# Altium PCB PCB1.PcbDoc
Units mm, origin at the board's own origin, x right, y up, seen from the top; angles counter-clockwise.
Board outline 74.92 x 35.07 mm, 2 copper layers (Top Layer, Bottom Layer), stack 1.671 mm thick; 70 components, 63 nets, 316 pads, 71 vias.
Unrouted connection lines stored in the file: 9.
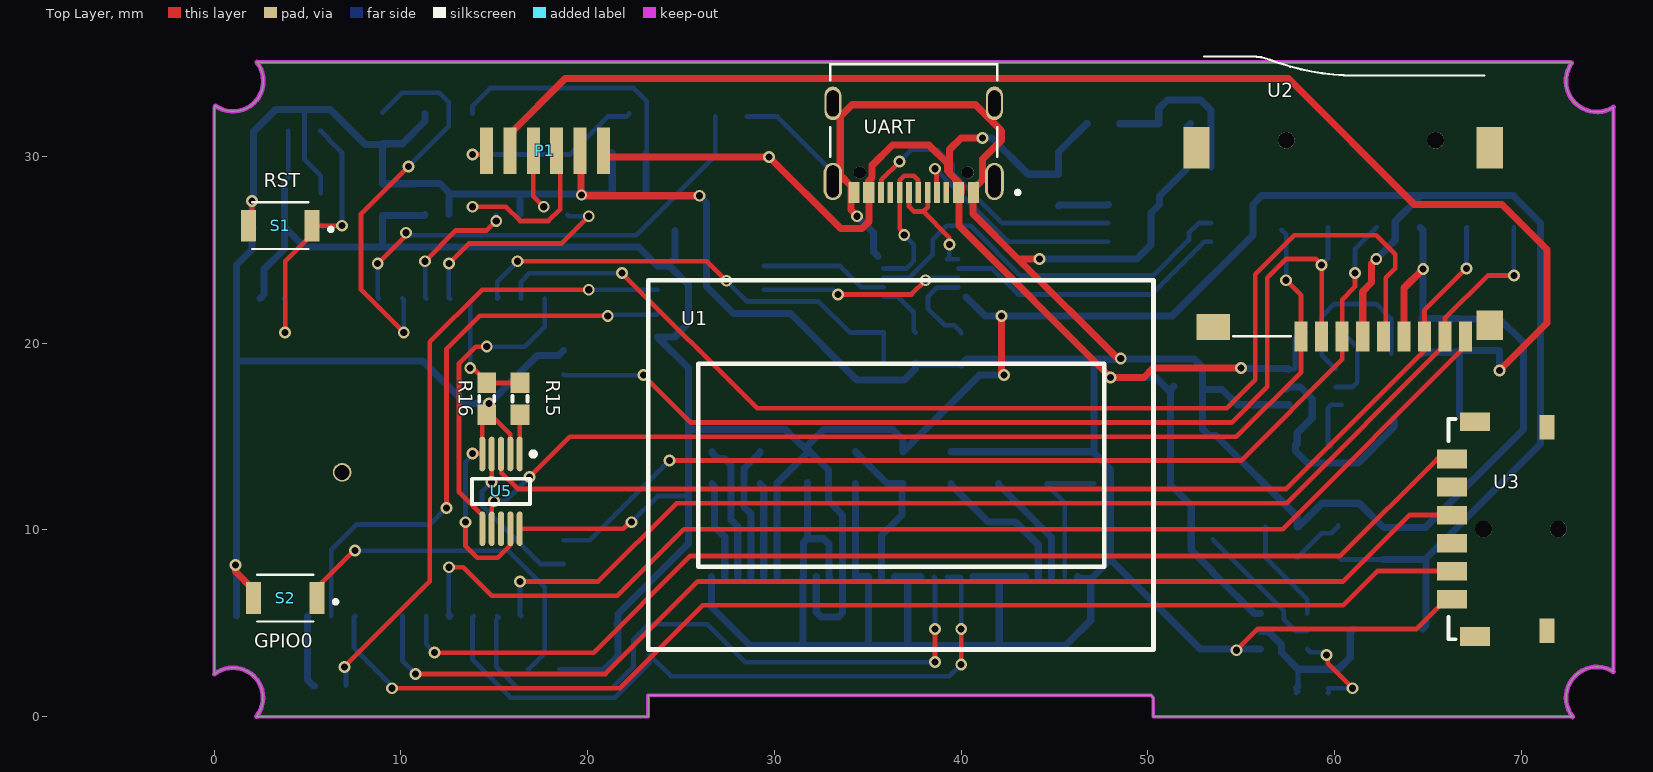
[diagram p0: Top Layer view]
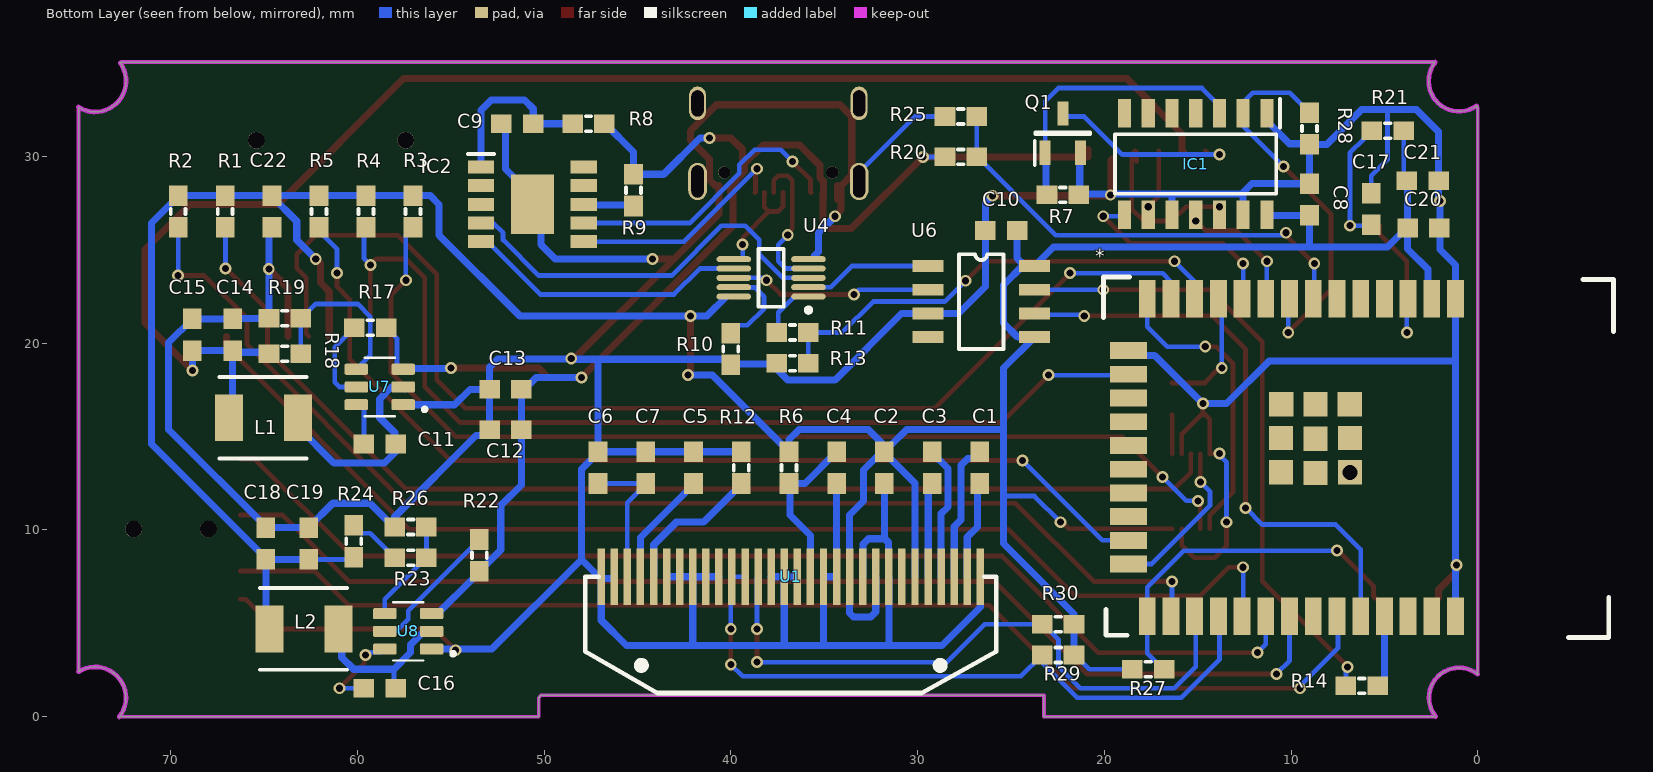
[diagram p1: Bottom Layer view, seen from below]
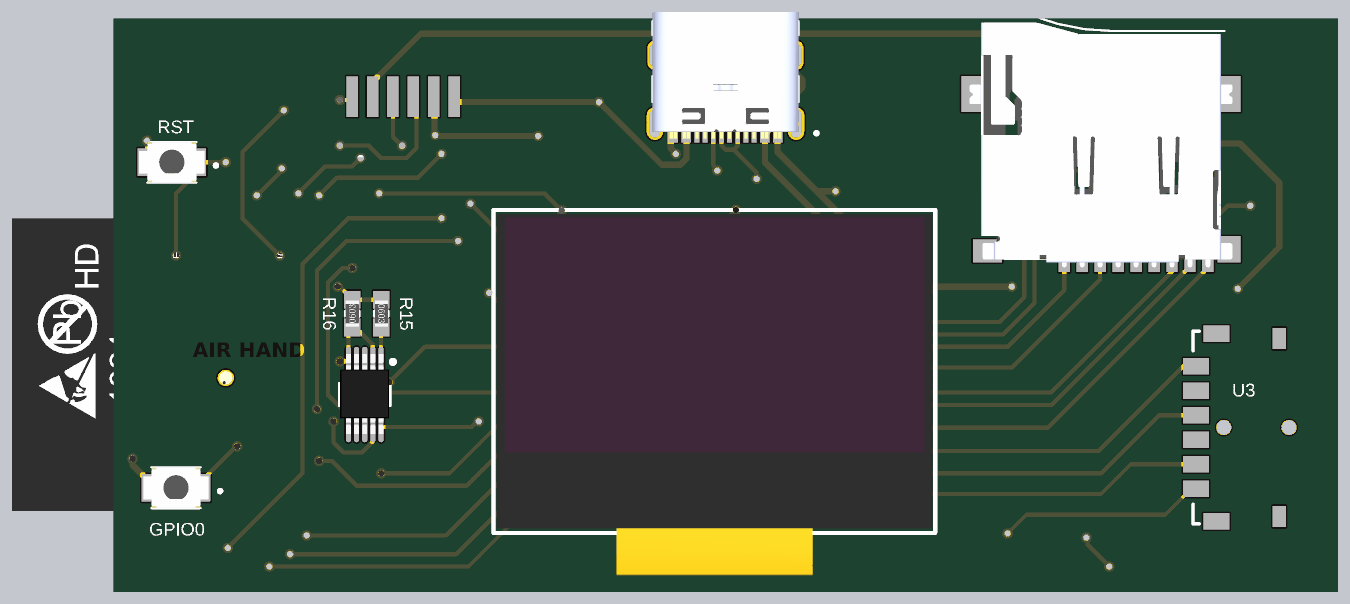
[diagram p2: 3D render of the assembled board from above, using the file's embedded part models]
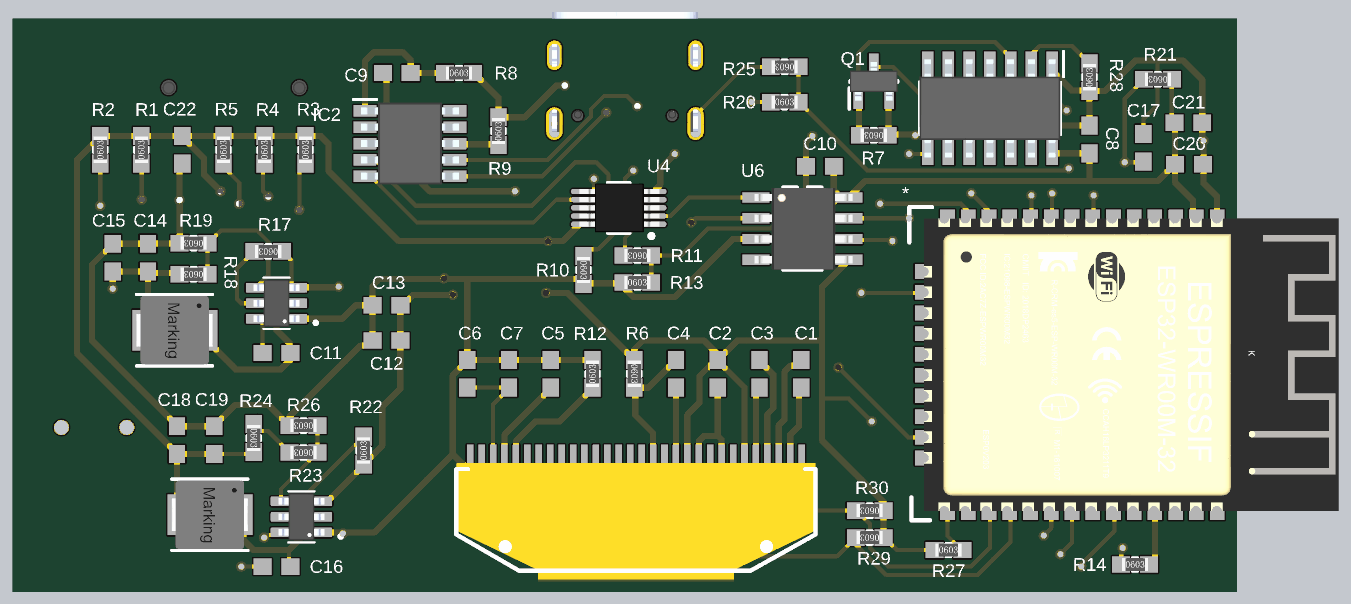
[diagram p3: 3D render of the assembled board from below, using the file's embedded part models]

## Layer stack, top to bottom
Top Solder: solder mask 0.0102, Solder Resist, Dk 3.5
Top Layer: signal copper 0.0356
Dielectric 1: dielectric 1.6, FR-4, Dk 4.8
Bottom Layer: signal copper 0.0356
Bottom Solder: solder mask 0.0102, Solder Resist, Dk 3.5

## Board outline
0.012,2.27 cw(c1.016,1.016) 2.27,0.012 2.286,0 23.241,0 23.241,1.143 50.165,1.143 50.292,1.016 50.292,0 72.771,0 72.752,-0.015 cw(c74.041,1.016) 74.927,2.409 74.93,2.413 74.93,32.639 cw(c74.041,34.036) 72.702,35.01 72.644,35.052 2.286,35.052 cw(c1.016,34.036) 0.073,32.711 0.012,32.627

## Design rules (kind name [scope] priority, off if disabled: settings)
Clearance [All] p1: gap=0.254 ignorepadtopadclearanceinfootprint=TRUE except(0: Arc-Hole Track-Hole SMDPad-Hole THPad-Hole Via-Hole Fill-Hole Poly-Hole Region-Hole Text-Hole; 0.152: Arc-Arc Arc-Track Arc-SMDPad Arc-THPad Arc-Via Track-Track Track-SMDPad Track-THPad Track-Via SMDPad-SMDPad SMDPad-THPad SMDPad-Via THPad-THPad THPad-Via Via-Via; 0.178: Arc-Text Track-Text SMDPad-Text THPad-Text Via-Text Fill-Text Poly-Text Region-Text Text-Text)
PolygonConnect [All] p1: connectstyle=Relief reliefconductorwidth=0.254 reliefentries=4 polygonreliefangle="90 Angle" airgapwidth=0.254
RoutingVias [All] p1: holewidth=0.381 width=0.381 viastyle="Through Hole" minholewidth=0.203 minwidth=0.381 maxholewidth=0.711 maxwidth=1.27
SolderMaskExpansion [All] p1: expansion=0.102
Width [All] p1: maxlimit=1.27 minlimit=0.254 preferedwidth=0.254
30 further rules are at their usual default settings.

## Components (designator, comment, footprint, x,y, rotation, side; value= is the part's Value field where it differs from the comment)
* "ESP WROOM 32" ESP32-WROOM-32D 6.461,13.886 r270 bottom locked
C1 "104" CAPC1608[0603] 26.67,13.335 r270 bottom
C2 "106" CAPC1608[0603] 31.782,13.335 r270 bottom
C3 "104" CAPC1608[0603] 29.226,13.335 r270 bottom
C4 "104" CAPC1608[0603] 34.338,13.335 r270 bottom
C5 "106" CAPC1608[0603] 42.005,13.335 r90 bottom
C6 "105" CAPC1608[0603] 47.117,13.335 r270 bottom
C7 "104" CAPC1608[0603] 44.561,13.335 r90 bottom
C8 "105" CAPC1608[0603] 9.017,27.686 r270 bottom
C9 "105" CAPC1608[0603] 51.435,31.75 r180 bottom
C10 "104" CAPC1608[0603] 25.527,26.035 r0 bottom
C11 "105" CAPC1608[0603] 58.801,14.605 r180 bottom
C12 "226" CAPC1608[0603] 52.07,15.367 r0 bottom
C13 "104" CAPC1608[0603] 52.07,17.526 r0 bottom
C14 "104" CAPC1608[0603] 66.675,20.447 r90 bottom
C15 "226" CAPC1608[0603] 68.834,20.447 r90 bottom
C16 "105" CAPC1608[0603] 58.801,1.524 r180 bottom
C17 "104" CAPC1608[0603] 5.715,27.178 r90 bottom
C18 "104" CAPC1608[0603] 64.897,9.271 r90 bottom
C19 "226" CAPC1608[0603] 62.611,9.271 r90 bottom
C20 "105" CAPC1608[0603] 2.921,26.162 r180 bottom
C21 "104" CAPC1608[0603] 2.96,28.702 r180 bottom
C22 "105" CAPC1608[0603] 64.567,27.051 r90 bottom
IC1 "74HC126S14-13" SOIC127P600X173-14N 15.113,29.591 r270 bottom locked
IC2 "CH224K" SOP100P600X180-11N 50.629,27.432 r180 bottom
L1 "6.8uH" WHC0420 65.024,16.002 r180 bottom value=22uH
L2 "6.8uH" WHC0420 62.865,4.699 r180 bottom value=22uH
P1 "Head1*6" Header1*6 20.846,30.304 r180 top locked
Q1 "AO3416" SOT95P237X112-3N 22.225,31.242 r90 bottom
R1 "47k" RESC1608[0603] 67.081,27.051 r90 bottom
R2 "47k" RESC1608[0603] 69.596,27.051 r90 bottom
R3 "47k" RESC1608[0603] 57.023,27.051 r90 bottom
R4 "47k" RESC1608[0603] 59.538,27.051 r90 bottom
R5 "47k" RESC1608[0603] 62.052,27.051 r90 bottom
R6 "10k" RESC1608[0603] 36.893,13.335 r270 bottom
R7 "10k" RESC1608[0603] 22.225,27.94 r0 bottom
R8 "1k" RESC1608[0603] 47.625,31.75 r180 bottom
R9 "10k" RESC1608[0603] 45.212,28.194 r90 bottom
R10 "47k" RESC1608[0603] 40.005,19.685 r270 bottom
R11 "0R" RESC1608[0603] 36.703,20.574 r0 bottom
R12 "910k" RESC1608[0603] 39.449,13.335 r90 bottom
R13 "47k" RESC1608[0603] 36.703,18.923 r180 bottom
R14 "470" RESC1608[0603] 6.223,1.651 r180 bottom
R15 "0" RESC1608[0603] 16.383,17.018 r270 top
R16 "47k" RESC1608[0603] 14.605,17.018 r90 top
R17 "100k" RESC1608[0603] 59.309,20.828 r0 bottom
R18 "43k" RESC1608[0603] 63.881,19.431 r0 bottom
R19 "8.2k" RESC1608[0603] 63.881,21.336 r0 bottom
R20 "90k" RESC1608[0603] 27.686,29.972 r180 bottom
R21 "10k" RESC1608[0603] 4.826,31.369 r0 bottom
R22 "100k" RESC1608[0603] 53.467,8.636 r90 bottom
R23 "24k" RESC1608[0603] 57.15,8.509 r0 bottom
R24 "1.6k" RESC1608[0603] 60.198,9.398 r270 bottom
R25 "10k" RESC1608[0603] 27.686,32.131 r0 bottom
R26 "8.2k" RESC1608[0603] 57.15,10.16 r0 bottom
R27 "10k" RESC1608[0603] 17.653,2.54 r180 bottom
R28 "10k" RESC1608[0603] 9.017,31.496 r90 bottom
R29 "4.7k" RESC1608[0603] 22.479,3.302 r0 bottom
R30 "4.7k" RESC1608[0603] 22.479,4.953 r0 bottom
S1 "RST" SW_B3U-1000P 3.556,26.289 r180 top
S2 "GPIO0" SW_B3U-1000P 3.81,6.35 r180 top
U1 "OLED" OLED-panel 36.793,7.493 r0 top locked
U2 "tf_card" TF-1 61.725,25.691 r180 top locked
U3 "拨码开关" FS-1501S-02 67.974,10.044 r270 top locked
U4 "CH442E" MSOP-10 37.846,23.495 r0 bottom
U5 "CH442E" MSOP-10 15.367,12.065 r270 top
U6 "CH340N" SOP8 29.449,24.13 r180 bottom
U7 "MP1471" TSOT23-6 58.801,17.653 r0 bottom
U8 "MP1471" TSOT23-6 57.277,4.572 r0 bottom
UART "Type_C-16P" VALCON_CSP-USC16-TR 37.461,28.067 r180 top locked

## Footprints (in the part's own frame and the unit in brackets; to place one, negate y for a bottom-side part, rotate by r counter-clockwise, add the part's x,y. Pads: shape width x height; smd on the part's side, far side on the other; paste and mask are expansions set on the pad)
CAPC1608[0603] [mm] "Chip Capacitor, 2-Leads, Body 1.60x0.80mm, IPC Medium Density"
  rect 1.1x1 smd: 1(-0.85,0) 2(0.85,0)
  body extent -0.88,-0.48 0.87,0.47, height 0.85
ESP32-WROOM-32D [mm]
  rect 2x0.9 smd: 1(-8.5,5.26) 1(-8.5,5.26) 2(-8.5,3.99) 3(-8.5,2.72) 4(-8.5,1.45) 5(-8.5,0.18) 6(-8.5,-1.09) 7(-8.5,-2.36) 8(-8.5,-3.63) 9(-8.5,-4.9) 10(-8.5,-6.17) 11(-8.5,-7.44) 12(-8.5,-8.71) 13(-8.5,-9.98) 14(-8.5,-11.25) 25(8.5,-11.25) 25(8.5,-11.25) 26(8.5,-9.98) 27(8.5,-8.71) 28(8.5,-7.44) 29(8.5,-6.17) 30(8.5,-4.9) 31(8.5,-3.63) 32(8.5,-2.36) 33(8.5,-1.09) 34(8.5,0.18) 35(8.5,1.45) 36(8.5,2.72) 37(8.5,3.99) 38(8.5,5.26)
  rect 0.9x2 smd: 15(-5.715,-12.25) 15(-5.715,-12.25) 16(-4.445,-12.25) 17(-3.175,-12.25) 18(-1.905,-12.25) 19(-0.635,-12.25) 20(0.635,-12.25) 21(1.905,-12.25) 22(3.175,-12.25) 23(4.445,-12.25) 24(5.715,-12.25)
  rect 1.3x1.3 smd: 39(-2.835,-4.075) 39(-2.835,-2.24) 39(-2.835,-0.405) 39(-1.03,-4.083) 39(-1.03,-0.397) 39(-1,-2.24) 39(0.805,-4.083) 39(0.805,-0.397) 39(0.835,-2.24)
  silkscreen extent -9.65,-13.59 9.65,13.72, body extent -8.95,-12.7 8.95,12.7, height 2.61
FS-1501S-02 [mm] "拨轮开关 6脚"
  rect 1x1.6 smd: 1(3.75,-1.7) 2(2.25,-1.7) 3(0.75,-1.7) 4(-0.75,-1.7) 5(-2.25,-1.7) 6(-3.75,-1.7) 7(-5.75,-0.45) 8(5.75,-0.45)
  rect 1.3x0.8 smd: 9(5.45,3.4) 10(-5.45,3.4)
  round 0.9 hole 0.9: ""(0,4) ""(0,0)
  silkscreen extent -5.9,-1.88 5.9,-1.5
Header1*6 [mm]
  rect 0.7x2.5 smd: 1(0,0) 2(1.25,0) 3(2.5,0) 4(3.75,0) 5(5,0) 6(6.25,0)
MSOP-10 [mm] "SSOP, 10-Leads, Body 3,1x3,1mm (max), Pitch 0,50mm, IPC Medium Density"
  oval 1.85x0.32 smd: 1(-2,1) 2(-2,0.5) 3(-2,0) 4(-2,-0.5) 5(-2,-1) 6(2,-1) 7(2,-0.5) 8(2,0) 9(2,0.5) 10(2,1)
  silkscreen extent -2.12,-1.55 0.67,1.85, body extent -2.49,-1.5 2.41,1.5, height 0.85
OLED-panel [mm]
  rect 0.4x3 smd far side: 1(-10.15,0) 2(-9.45,0) 3(-8.75,0) 4(-8.05,0) 5(-7.35,0) 6(-6.65,0) 7(-5.95,0) 8(-5.25,0) 9(-4.55,0) 10(-3.85,0) 11(-3.15,0) 12(-2.45,0) 13(-1.75,0) 14(-1.05,0) 15(-0.35,0) 16(0.35,0) 17(1.05,0) 18(1.75,0) 19(2.45,0) 20(3.15,0) 21(3.85,0) 22(4.55,0) 23(5.25,0) 24(5.95,0) 25(6.65,0) 26(7.35,0) 27(8.05,0) 28(8.75,0) 29(9.45,0) 30(10.15,0)
  silkscreen extent -13.54,-3.9 13.51,15.88, body extent -13.35,-7.32 13.35,15.63, height 1.44
RESC1608[0603] [mm] "Chip Resistor, 2-Leads, Body 1.60x0.82mm, IPC Medium Density"
  rect 1.1x1 smd: 1(-0.85,0) 2(0.85,0)
  silkscreen extent -0.15,-0.4 0.15,0.4, body extent -0.8,-0.4 0.8,0.4, height 0.45
SOIC127P600X173-14N [mm]
  rect 1.528x0.7 smd: 1(-2.711,3.81) 2(-2.711,2.54) 3(-2.711,1.27) 4(-2.711,0) 5(-2.711,-1.27) 6(-2.711,-2.54) 7(-2.711,-3.81) 8(2.711,-3.81) 9(2.711,-2.54) 10(2.711,-1.27) 11(2.711,0) 12(2.711,1.27) 13(2.711,2.54) 14(2.711,3.81)
  silkscreen extent -3.47,-4.32 1.6,4.51, body extent -3,-4.32 3,4.32, height 1.73
SOP8 [mil]
  rect 65x25 smd: 1(0,0) 2(0,-50) 3(0,-100) 4(0,-150) 5(224.41,-150) 6(224.41,-100) 7(224.41,-50) 8(224.41,0)
  silkscreen extent 65,-175 159,25, body extent -3,-173 233,23, height 71
SOP100P600X180-11N [mm]
  rect 1.4x0.7 smd: 1(-2.75,2) 2(-2.75,1) 3(-2.75,0) 4(-2.75,-1) 5(-2.75,-2) 6(2.75,-2) 7(2.75,-1) 8(2.75,0) 9(2.75,1) 10(2.75,2)
  rect 2.3x3.2 smd: 11(0,0)
  silkscreen extent -3.45,2.7 -2.05,2.7, body extent -3,-2.5 3,2.5, height 1.8
SOT95P237X112-3N [mm]
  rect 1.3x0.6 smd: 1(-1.05,0.95) 2(-1.05,-0.95) 3(1.05,0)
  silkscreen extent -1.7,-1.46 0.05,1.5, body extent -1.18,-1.46 1.18,1.46, height 1.12
SW_B3U-1000P [mm] "2.5*4mm"
  rect 0.8x1.7 smd: 1(-1.7,0) 2(1.7,0)
  silkscreen extent -2.8,-1.25 1.5,1.25, body extent -2,-1.25 2,1.25, height 1.75
TF-1 [mm]
  rect 0.7x1.6 smd: 1(3.52,5.33) 2(2.42,5.33) 3(1.32,5.33) 4(0.22,5.33) 5(-0.88,5.33) 6(-1.98,5.33) 7(-3.08,5.33) 8(-4.18,5.33) 9(-5.28,5.33)
  rect 1.4x1.6 smd: 10(-6.58,4.73)
  rect 1.4x2.2 smd: 11(-6.58,-4.77) 13(9.12,-4.77)
  rect 1.8x1.4 smd: 12(8.22,4.83)
  round 0.9 hole 0.9 unplated: ""(-3.68,-5.17) ""(4.32,-5.17)
  silkscreen extent -6.29,-9.66 8.7,5.33, body extent -6.78,-9.15 9.32,5.85, height 1.9
TSOT23-6 [mm]
  rrect25% 1.25x0.59 smd: 1(-1.255,0.95) 2(-1.255,0) 3(-1.255,-0.95) 4(1.255,-0.95) 5(1.255,0) 6(1.255,0.95)
  silkscreen extent -2.5,-1.57 0.8,1.57, body extent -1.4,-1.45 1.4,1.45, height 1
VALCON_CSP-USC16-TR [mm]
  rect 0.3x1.14 smd: A1(-3.35,0) A4(-2.55,0) A5(-1.25,0) A6(-0.25,0) A7(0.25,0) A8(1.25,0) A9(2.55,0) A12(3.35,0) B1(3.05,0) B4(2.25,0) B5(1.75,0) B6(0.75,0) B7(-0.75,0) B8(-1.75,0) B9(-2.25,0) B12(-3.05,0)
  oval 1x2 hole 0.65 slot 1.72 at 90 deg: S1(-4.325,-0.59) S2(4.325,-0.59)
  oval 0.9x1.8 hole 0.65 slot 1.4 at 90 deg: S3(-4.325,-4.77) S4(4.325,-4.77)
  round 0.65 hole 0.65 unplated: ""(-2.89,-1.07) ""(2.89,-1.07)
  silkscreen extent -5.67,-6.86 4.47,0.1, body extent -4.47,-7.42 4.47,0.33, height 3.26
WHC0420 [mm] "4.4mm 4.2mm 2mm"
  rect 1.5x2.5 smd: 1(-1.85,0) 2(1.85,0)
  silkscreen extent -2.35,-2.18 2.31,2.18, body extent -2.37,-2.1 2.33,2.1, height 1.85

## Part data
C1 C2 C3 C4 C5 C6 C7 C8 C9 C10 C11 C12 C13 C14 C15 C16 C17 C18 C19 C20 C21 C22: library part "Cap Chip 1", "Chip Capacitor, PSpice Model", Tolerance=Y5V, Voltage=3V, Price(RMB)=0.000, Published=8-Jun-2000, Publisher="Altium Limited", Revision="July-2002: Re-released for DXP Platform."
IC1: "Integrated Circuit", Manufacturer_Name="Diodes Inc.", Mouser Part Number=621-74HC126S14-13, Arrow Part Number=74HC126S14-13, Arrow Price/Stock=https://www.arrow.com/en/products/74hc126s14-13/diodes-incorporated, Datasheet Link=https://www.mouser.com/datasheet/2/115/74HC126-247323.pdf, Height=1.73mm, Manufacturer_Part_Number=74HC126S14-13, Mouser Price/Stock=https://www.mouser.co.uk/ProductDetail/Diodes-Incorporated/74HC126S14-13?qs=pYVYkI7xuRXC0F6VGtFBIA%3D%3D
IC2: "Integrated Circuit", Manufacturer_Name=WCH, Datasheet Link=https://datasheet.lcsc.com/lcsc/2204251615_WCH-Jiangsu-Qin-Heng-CH224K_C970725.pdf, Height=1.8mm, Manufacturer_Part_Number=CH224K
L1 L2: library part L
P1: library part Header1x6
Q1: "MOSFET (N-Channel)", Manufacturer_Name="Alpha & Omega Semiconductors", Arrow Part Number=AO3416, Arrow Price/Stock=https://www.arrow.com/en/products/ao3416/alpha-and-omega-semiconductor?region=nac, Datasheet Link=https://www.arrow.com/en/products/ao3416/alpha-and-omega-semiconductor, Height=1.12mm, Manufacturer_Part_Number=AO3416
R1 R2 R3 R4 R5 R6 R7 R8 R9 R10 R11 R12 R13 R14 R15 R16 R17 R18 R19 R20 R21 R22 R23 R24 R25 R26 R27 R28 R29 R30: library part "Res Chip 2p 1", "Chip Resistor, PSpice Model, IPC PCB Library Drawing", Tolerance=5%, Price(RMB)=0.000, Published=8-Jun-2000, Publisher="Altium Limited", Revision="July-2002: Re-released for DXP Platform.", TC1=0, TC2=0
S1 S2: library part SW2P, Package=None, Availability=Unavailable, MP=B3U-1000P, Price=None
U1: library part 0.96寸OLED
U2: library part "TF- SDIO"
U3: library part "thumb key"
U6: "USB to serial chip CH340N"
U7 U8: "4.7v-16V Input / 16V3A / 500K"
UART: "CSP-USC16-TR Valcon USB Type C Surface Mount PCB Socket", Package=None, Availability="No availability data", Check_prices=https://www.snapeda.com/parts/CSP-USC16-TR/Valcon/view-part/4783629/?ref=eda, MF=Valcon, MP=CSP-USC16-TR, Price=None, Purchase-URL=https://pricing.snapeda.com/search/part/CSP-USC16-TR/?ref=eda, SnapEDA_Link=https://www.snapeda.com/parts/CSP-USC16-TR/Valcon/view-part/4783629/?ref=snap

## Free pads (board coordinates)
  round 1 hole 0.8: 2(6.858,13.081)

## Via types
v1: diameter 0.635, hole 0.381, Top Layer to Bottom Layer, tented both sides, 70 vias
v2: diameter 0.584, hole 0.381, Top Layer to Bottom Layer, tented both sides, 1 vias

## Nets (pads, with @x,y where several pads share a name; then routed paths per layer and width w, separated by ;. In a path a pad name is that pad's centre, name@x,y a point inside that pad or via, vN(x,y) a via of type N, cw(c..) or ccw(c..) an arc to the next point about the centre after c; other vN are vias at no path point)
+3.3V: *.2 C2.1 C8.2 C10.1 C18.1 C19.1 C20.1 C21.1 C22.2 IC1.14 L2.1 R1.2 R2.2 R3.2 R4.2 R5.2 R6.1 R21.1 R24.2 R27.1 R29.1 R30.1 U1.6 U1.9 U1.11 U2.4 U4.10 U5.10 U6.5 U6.8 | length 192.5
  Top Layer w0.254: U5.10 21.9,10.065 22.249,10.414 v1(22.352,10.414)
  Top Layer w0.381: v1(42.164,21.463) 42.164,18.415 v1(42.291,18.288) ; U2.4 61.505,22.77 61.976,23.241 61.976,24.257 v1(62.23,24.511)
  Bottom Layer w0.254: C21.1@3.771,28.663 C21.1 3.976,28.868 R21.1 ; R27.1 20.817,2.54 21.579,3.302 R29.1 ; v1(22.352,10.414) 23.749,11.811 25.4,11.811 ; R24.2 60.325,8.421 C19.1
  Bottom Layer w0.381: *.2 2.684,22.6 2.684,23.958 3.771,25.044 C20.1 ; C21.1@3.771,28.663 C20.1 ; IC1.14 11.259,26.836 C8.2 9.017,25.146 ; R30.1@21.579,4.953 R30.1 ; R29.1 R30.1 ; U6.8@24.257,24.13 U6.8 22.733,25.146 9.017,25.146 ; C10.1 24.677,24.55 24.32,24.194 25.4,23.114 25.4,21.082 24.638,20.32 U6.5 25.4,18.669 25.4,15.367 ; U1.6@30.152,7.484 U1.6 30.143,12.496 C2.1@31.782,14.135 ; U1.9 32.243,5.603 32.512,5.334 33.42,5.334 33.643,5.557 U1.11 33.643,10.807 32.893,11.557 32.893,13.208 31.916,14.185 C2.1 C2.1@31.782,14.235 ; U4.10@40.259,22.479 41.275,21.463 v1(42.164,21.463) 51.308,21.463 55.626,25.781 55.626,27.432 56.095,27.901 R3.2 R4.2 R5.2 C22.2 ; v1(42.291,18.288) 40.997,18.288 R6.1 36.893,14.834 36.361,15.367 32.639,15.367 31.782,14.51 C2.1@31.782,14.235 ; v1(62.23,24.511) 63.246,25.527 63.246,26.53 64.567,27.851 C22.2 ; C19.1 C18.1 ; L2.1 64.897,4.881 C18.1 ; C20.1 3.821,26.162 4.837,25.146 9.017,25.146 ; R30.1 21.629,5.5 25.4,9.271 25.4,11.811 25.4,15.367 ; 25.4,15.367 30.6,15.367 31.422,14.544 31.472,14.544 C2.1@31.782,14.235 ; C22.2 R1.2 R2.2 69.596,27.851 71.018,26.429 71.018,14.592 64.897,8.471 C18.1
+5V: C14.1 C15.1 L1.1 P1.5 R18.2 | length 78
  Top Layer w0.381: P1.5@15.747,30.205 P1.5 15.846,31.204 18.805,34.163 57.531,34.163 64.262,27.432 68.961,27.432 71.374,25.019 71.374,21.082 v1(68.834,18.542)
  Bottom Layer w0.381: R18.2 64.814,19.514 66.592,19.514 C14.1 66.675,16.201 L1.1 ; C14.1@66.725,19.597 C15.1 v1(68.834,18.542)
CC1: IC2.6 UART.A5 | length 12.2
  Top Layer w0.254: v1(38.608,29.337) 38.688,29.257 38.688,28.09 UART.A5
  Bottom Layer w0.254: v1(38.608,29.337) 42.513,25.432 IC2.6
CC2: IC2.7 UART.B5 | length 15
  Top Layer w0.254: UART.B5 35.734,28.09 35.734,28.749 v1(36.703,29.718)
  Bottom Layer w0.254: 36.957,29.972 37.338,30.353 38.735,30.353 39.546,29.542 39.546,29.087 42.201,26.432 IC2.7
ch_RX: *.34 U6.6 | length 31.3
  Top Layer w0.254: v1(12.446,11.176) 12.446,19.685 14.224,21.463 v1(21.082,21.463)
  Bottom Layer w0.254: *.34 6.281,8.948 7.62,10.287 11.557,10.287 v1(12.446,11.176) ; v1(21.082,21.463) 21.145,21.526 23.685,21.526 U6.6
ch_TX: R14.1 U6.7 | length 33.7
  Top Layer w0.254: v1(6.985,2.667) 11.557,7.239 11.557,20.066 14.351,22.86 v1(20.066,22.86)
  Bottom Layer w0.254: v1(6.985,2.667) 7.073,2.579 R14.1 ; v1(20.066,22.86) U6.7
DM: U4.6 UART.A7 UART.B7 | length 6.5
  Top Layer w0.254: UART.A7 37.211,27.305 37.465,27.051 37.973,27.051 ; UART.B7@38.188,28.044 UART.B7 38.211,27.289 37.973,27.051 ; v1(39.37,25.273) 39.37,25.654 37.973,27.051
  Bottom Layer w0.254: U4.6@39.238,24.495 U4.6 ; v1(39.37,25.273) 39.37,24.575 U4.6@39.433,24.511
DP: U4.4 UART.A6 UART.B6 | length 8.3
  Top Layer w0.254: v1(36.957,25.781) 36.957,25.884 36.711,26.13 UART.B6 36.711,28.71 36.957,28.956 37.465,28.956 37.711,28.71 UART.A6
  Bottom Layer w0.254: U4.4 37.076,23.995 37.465,24.384 37.465,25.273 v1(36.957,25.781)
DRIV1: *.8 IC1.2 R28.2 | length 21.3
  Top Layer w0.254: v1(10.16,20.574) 7.874,22.86 7.874,26.924 v1(10.414,29.464)
  Bottom Layer w0.254: R28.2 10.072,33.401 12.065,33.401 12.573,32.893 IC1.2 12.573,31.623 v1(10.414,29.464) ; *.8 10.16,22.317 v1(10.16,20.574)
DRIV_OUT: IC1.3 Q1.1 R7.2 | length 15.5
  Bottom Layer w0.254: IC1.3 13.843,32.716 14.782,33.655 22.479,33.655 23.175,32.959 Q1.1 Q1.1@23.125,30.142
  Bottom Layer w0.381: R7.2 23.125,27.99 Q1.1@23.125,30.142
EN: *.3 C17.1 R21.2 S1.1 | length 16.6
  Top Layer w0.254: v1(3.81,20.574) 3.81,24.384 3.937,24.511 3.937,24.52 5.256,25.839 S1.1 v1(6.858,26.289)
  Bottom Layer w0.254: *.3 3.81,22.317 v1(3.81,20.574) ; R21.2 5.726,31.369 6.099,30.996 6.099,30.946 6.858,30.187 v1(6.858,26.289) C17.1@5.754,26.289 ; C17.1 C17.1@5.754,26.289 ; C17.1@5.82,26.223 C17.1@5.754,26.289
GND: *.1 *.15 *.38 *.39 C2.2 C4.2 C5.2 C6.1 C7.2 C8.1 C9.1 C10.2 C12.2 C13.2 C14.2 C15.2 C17.2 C18.2 C19.2 C20.2 C21.2 C22.1 IC1.1 IC1.10 IC1.13 IC2.11 P1.2 pad.2 Q1.2 R7.1 R10.2 R12.2 R13.1 R16.1 R19.2 R25.2 R26.2 R28.1 S1.2 S2.2 U1.1 U1.8 U1.10 U1.12 U1.13 U1.15 U1.16 U1.17 U1.21 U1.22 U1.23 U1.24 U1.25 U1.29 U1.30 U2.6 U3.1 U4.5 U5.2 U5.5 U5.9 U6.3 U7.1 U8.1 UART.A1 UART.A12 UART.B1 UART.B12 UART.S1 UART.S2 UART.S3 UART.S4 | length 352.9
  Top Layer w0.254: S1.2 2.032,26.465 v1(2.032,27.608) ; v1(13.462,10.414) 13.462,9.144 14.097,8.509 15.197,8.509 15.854,9.166 15.854,10.052 U5.9 ; v1(13.843,14.097) 14.337,14.097 U5.5@14.367,14.067 ; U5.5 U5.5@14.367,14.067 ; v1(14.732,16.764) 14.732,16.295 R16.1 ; U5.2 15.854,14.078 15.854,15.134 14.82,16.168 R16.1 ; v1(54.737,3.556) 55.88,4.699 64.389,4.699 65.984,6.294 U3.1 ; U5.5@14.367,14.067 14.367,15.93 R16.1
  Top Layer w0.381: v1(1.143,8.128) 1.143,7.767 2.11,6.8 S2.2 ; P1.2@19.596,29.854 19.646,29.803 19.646,27.979 v2(19.685,27.94) 19.734,27.891 v1(25.986,27.891) ; UART.S2 33.136,28.353 UART.S2@33.422,28.067 ; UART.B1@34.29,27.686 UART.B1@34.29,28.067 ; UART.B1@34.29,28.448 UART.B1@34.29,28.067 ; v1(34.417,26.797) 34.417,26.832 34.111,27.138 UART.A12 ; UART.B12@40.64,28.448 40.64,26.924 43.053,24.511 ; UART.A1@40.811,28.406 41.148,28.743 41.148,29.845 42.164,30.861 42.164,31.369 40.767,32.766 34.163,32.766 33.528,32.131 33.528,28.989 34.111,28.406 UART.A12 ; UART.S1@41.5,28.362 41.786,28.648 UART.S1 ; v1(44.196,24.511) 43.053,24.511 ; v1(48.546,19.177) 48.387,19.177 43.053,24.511 ; U2.6 63.705,22.938 v1(64.741,23.974) ; UART.A12 UART.B1@34.29,28.067
  Bottom Layer w0.254: 4.763,32.512 4.847,32.428 4.847,29.824 5.715,28.956 C17.2 ; v1(13.462,10.414) 13.462,13.613 13.843,13.994 v1(13.843,14.097) ; R25.2 30.162,32.131 33.136,29.157 UART.S2
  Bottom Layer w0.381: *.38 1.201,19.05 ; v1(2.032,27.608) 2.032,26.201 C20.2 2.032,26.123 2.032,25.019 1.201,24.188 1.201,22.386 1.201,19.05 ; v1@2.11,27.686 C21.2 2.11,31.32 3.302,32.512 4.763,32.512 6.223,32.512 8.089,30.646 R28.1 ; IC1.1 11.303,31.888 10.089,30.674 9.045,30.674 R28.1 ; IC1.13 12.573,28.067 ; IC1.10 16.383,27.987 ; *.15@18.711,19.601 18.451,19.342 17.31,19.342 v1(14.732,16.764) 13.462,16.764 11.176,19.05 1.201,19.05 ; Q1.2 21.325,30.142 R7.1@21.325,27.99 ; R7.1 21.328,27.987 16.383,27.987 ; v1@26.035,27.871 26.377,27.529 C10.2 26.377,23.026 27.813,21.59 U6.3 30.861,21.59 34.417,18.034 36.957,18.034 37.553,18.63 R13.1 37.597,18.879 39.961,18.879 R10.2 40.306,19.136 46.99,19.136 ; U1.1 26.643,5.869 28.702,3.81 31.543,3.81 ; C2.2@31.782,12.535 C2.2 31.782,9.54 31.766,9.525 ; U1.10 32.934,7.502 32.934,9.23 32.639,9.525 31.766,9.525 ; C4.2 34.34,12.482 34.34,7.496 U1.12 U1.13 35.043,3.81 ; v1(34.417,26.797) 35.306,25.908 35.306,24.892 U4.5@35.56,24.638 ; U1.15 U1.16 ; U1.17 U1.16 ; R12.2 C5.2 C7.2 C6.1 ; U1.21 U1.22 U1.23 ; U1.25 U1.24 U1.23 ; v1(44.196,24.511) 49.403,24.511 50.165,25.273 50.165,26.968 IC2.11 50.629,27.882 52.07,29.323 52.07,31.535 C9.1 ; U1.29 46.243,7.402 46.253,7.392 46.934,7.392 46.943,7.383 U1.30@46.943,7.375 ; U8.1 52.803,3.622 48.006,8.419 ; U7.1 54.798,16.703 53.975,17.526 C13.2 ; C22.1 64.741,26.027 v1(64.741,23.974) 64.731,23.964 R19.2 ; R19.2@64.681,21.336 R19.2 ; R28.1 C8.1 10.707,28.536 10.715,28.544 12.096,28.544 12.573,28.067 ; 12.573,28.067 12.653,27.987 16.383,27.987 ; 31.543,3.81 35.043,3.81 ; 31.543,3.81 U1.8 31.553,7.502 31.553,9.311 31.766,9.525 ; 35.043,3.81 37.143,3.81 ; 37.143,3.81 42.043,3.81 ; 37.143,3.81 U1.16 ; 42.043,3.81 45.593,3.81 46.943,5.16 U1.30@46.943,7.375 ; 42.043,3.81 U1.23 ; U1.30@46.943,7.375 46.953,7.366 48.006,8.419 ; 46.99,19.136 48.505,19.136 48.515,19.146 52.482,19.146 52.92,18.708 C13.2 ; 46.99,19.136 47.117,19.009 C6.1 ; C6.1 47.117,14.135 48.006,13.246 48.006,8.419 ; C13.2 C12.2 52.97,15.367 53.279,15.057 53.65,15.057 58,10.707 R26.2 58.05,10.16 59.32,11.43 61.313,11.43 62.611,10.132 C19.2 C18.2 64.897,10.171 70.104,15.378 70.104,20.027 C15.2 C14.2 66.656,21.316 64.751,21.316 R19.2
GPIO0: *.25 R27.2 S2.1 | length 19.2
  Top Layer w0.254: S2.1 5.588,6.428 5.588,6.985 7.493,8.89 v1(7.556,8.89)
  Bottom Layer w0.254: v1(7.556,8.89) 15.748,8.89 17.711,6.927 17.711,5.386 17.711,3.398 16.853,2.54 R27.2
GPIO2: *.24 U5.4 | length 8.6
  Top Layer w0.254: v1(14.859,12.573) 14.867,12.581 U5.4
  Bottom Layer w0.254: v1(14.859,12.573) 14.351,12.065 14.351,11.303 17.483,8.171 *.24
GPIO12: *.14 U5.6 | length 16.3
  Top Layer w0.254: U5.6 14.367,10.779 13.119,12.027 13.119,18.916 14.015,19.812 v1(14.605,19.812)
  Bottom Layer w0.254: v1(14.605,19.812) 16.637,19.812 17.711,20.886 *.14
I2C1_SCL: *.27 R30.2 U1.18 | length 34.5
  Top Layer w0.254: v1(38.608,2.921) v1(38.608,4.699)
  Bottom Layer w0.254: *.27 15.24,5.317 15.113,5.19 15.113,2.667 16.256,1.524 21.296,1.524 22.458,2.686 22.458,4.132 23.279,4.953 R30.2 26.416,4.953 28.448,2.921 v1(38.608,2.921) ; U1.18 38.608,7.428 v1(38.608,4.699)
I2C1_SDA: *.28 R29.2 U1.19 U1.20 | length 36.7
  Top Layer w0.254: v1(40.005,2.794) v1(40.005,4.699)
  Bottom Layer w0.254: *.28 13.843,5.328 13.843,3.048 15.875,1.016 21.463,1.016 23.329,2.882 R29.2 24.472,2.159 39.37,2.159 v1(40.005,2.794) ; U1.19 U1.20 40.005,7.431 v1(40.005,4.699)
KEY_0: *.33 U3.2 | length 64.1
  Top Layer w0.254: v1(9.525,1.524) 21.717,1.524 26.162,5.969 60.452,5.969 62.277,7.794 U3.2
  Bottom Layer w0.254: *.33 7.493,5.328 7.493,3.683 9.525,1.651 v1(9.525,1.524)
KEY_1: *.31 U3.4 | length 62.4
  Top Layer w0.254: v1(10.795,2.286) 20.955,2.286 25.908,7.239 60.452,7.239 64.007,10.794 U3.4
  Bottom Layer w0.254: *.31 10.091,2.99 v1(10.795,2.286)
KEY_2: *.30 U3.6 | length 60.9
  Top Layer w0.254: v1(11.811,3.429) 20.32,3.429 25.498,8.607 60.296,8.607 65.483,13.794 U3.6
  Bottom Layer w0.254: *.30 11.361,3.879 v1(11.811,3.429)
Motor-: P1.6 Q1.3 | length 10.1
  Top Layer w0.254: v1(13.843,30.099) 14.391,30.099 P1.6
  Bottom Layer w0.254: v1(13.843,30.099) 19.05,30.099 21.082,32.131 22.064,32.131 Q1.3
Net*_35: *.35 R14.2 | length 3.9
  Bottom Layer w0.381: *.35 5.011,1.963 5.323,1.651 R14.2
NetC1_1: C1.1 U1.3 | length 7.5
  Bottom Layer w0.381: C1.1 26.67,14.135 26.98,13.825 27.323,13.825 27.686,13.462 27.686,10.541 28.043,10.184 U1.3
NetC1_2: C1.2 U1.2 | length 5.3
  Bottom Layer w0.381: C1.2 26.797,12.358 26.797,10.16 27.343,9.614 U1.2
NetC3_1: C3.1 U1.4 | length 7.2
  Bottom Layer w0.381: U1.4 28.743,10.867 28.383,11.227 28.383,13.292 29.226,14.135 C3.1
NetC3_2: C3.2 U1.5 | length 5.1
  Bottom Layer w0.381: C3.2 29.434,12.277 29.434,7.502 U1.5
NetC9_2: C9.2 IC2.1 R8.1 | length 9.2
  Bottom Layer w0.381: R8.1 C9.2 50.585,32.551 51.054,33.02 52.832,33.02 53.379,32.473 IC2.1
NetC11_1: C11.1 U7.6 | length 2.9
  Bottom Layer w0.254: C11.1@59.783,14.473 C11.1 59.651,16.535 59.819,16.703 U7.6 U7.6@60.386,16.703
NetC11_2: C11.2 L1.2 U7.2 | length 11.7
  Bottom Layer w0.381: U7.2@57.442,17.548 U7.2 58.166,17.653 58.801,17.018 58.801,16.002 58.001,15.202 58.001,14.605 C11.2 57.912,14.566 57.912,14.224 58.547,13.589 61.261,13.589 63.174,15.502 L1.2
NetC16_1: C16.1 U8.6 | length 4.9
  Top Layer w0.254: v1(59.563,3.302) 59.636,3.229 59.636,2.848 v1(60.96,1.524)
  Bottom Layer w0.254: U8.6 58.7,3.454 59.308,3.454 59.46,3.302 v1(59.563,3.302) ; C16.1@59.651,1.27 C16.1@59.675,1.294 ; C16.1 v1(60.96,1.524)
NetC16_2: C16.2 L2.2 U8.2 | length 8.9
  Bottom Layer w0.254: C16.2@57.951,1.27 C16.2@58.039,1.358 ; C16.2@58.039,1.612 58.039,2.54
  Bottom Layer w0.381: U8.2 56.434,4.572 57.15,3.856 57.15,3.429 58.039,2.54 60.198,2.54 60.833,3.175 60.833,4.517 L2.2 ; C16.2 C16.2@58.039,1.612
NetIC2_8: IC2.8 R9.1 | length 2.7
  Bottom Layer w0.381: R9.1 45.256,27.388 47.835,27.388 IC2.8
NetR10_1: R10.1 U4.9 | length 4.8
  Bottom Layer w0.254: U4.9 39.833,22.982 38.73,22.982 38.227,22.479 38.227,21.844 39.113,20.958 39.632,20.958 40.005,20.585 R10.1
NetR11_2: R11.2 U4.1 | length 3.1
  Bottom Layer w0.254: U4.1 36.611,22.495 37.465,21.641 37.465,20.662 R11.2
NetR15_2: R15.2 U5.1 | length 2.1
  Top Layer w0.254: U5.1 16.367,16.152 R15.2
NetR17_2: R17.2 U7.5 | length 4.7
  Bottom Layer w0.254: U7.5 60.966,17.653 61.214,17.901 61.214,19.773 60.582,20.405 60.582,20.455 60.209,20.828 R17.2
NetR18_1: R18.1 R19.1 U7.4 | length 9.4
  Bottom Layer w0.254: U7.4 59.309,19.35 59.309,21.423 59.984,22.098 62.219,22.098 62.981,21.336 R19.1 R18.1
NetR22_2: R22.2 U8.5 | length 7.4
  Bottom Layer w0.254: R22.2 57.277,5.676 57.277,5.207 57.912,4.572 U8.5
NetR23_1: R23.1 R26.1 U8.4 | length 5.6
  Bottom Layer w0.254: R26.1 R23.1 58.532,6.277 U8.4
NetR23_2: R23.2 R24.1 | length 2.9
  Bottom Layer w0.254: R23.2 59.316,9.825 59.825,9.825 60.198,10.198 R24.1
O_IREF: R12.1 U1.26 | length 7.8
  Bottom Layer w0.381: R12.1 39.449,12.435 41.47,10.414 42.926,10.414 44.134,9.206 44.134,7.502 U1.26
O_RES: C4.1 R6.2 U1.14 | length 8.7
  Bottom Layer w0.381: C4.1 36.038,12.485 R6.2 36.83,12.421 36.83,10.795 35.743,9.708 U1.14
O_VCC: C6.2 C7.1 U1.28 | length 8
  Bottom Layer w0.254: U1.28 45.543,11.453 44.561,12.435 C7.1 C6.2
O_VCOMH: C5.1 U1.27 | length 6.2
  Bottom Layer w0.381: C5.1 42.005,12.435 44.843,9.597 U1.27
PCNT_A: IC1.12 P1.3 | length 9.1
  Top Layer w0.254: v1(13.843,27.305) 15.621,27.305 16.383,26.543 17.907,26.543 18.542,27.178 18.542,30.108 P1.3 18.288,30.246 P1.3@18.288,29.718
PCNT_A_OUT: *.9 IC1.11 | length 7.1
  Top Layer w0.254: v1(11.303,24.384) 12.954,26.035 14.605,26.035 v1(15.113,26.543)
  Bottom Layer w0.254: v1(11.303,24.384) 11.303,22.444 *.9 ; v1(15.113,26.543) IC1.11
PCNT_B: IC1.9 P1.4 | length 3.2
  Top Layer w0.254: P1.4 17.096,27.862 v1(17.653,27.305)
PCNT_B_OUT: *.10 IC1.8 | length 11.6
  Top Layer w0.254: v1(12.573,24.257) 13.652,25.336 18.605,25.336 v1(20.066,26.797)
  Bottom Layer w0.254: v1(12.573,24.257) 12.573,22.444 *.10 ; IC1.8 19.006,26.797 v1(20.066,26.797)
pd_DM: IC2.5 U4.7 | length 15.3
  Bottom Layer w0.254: U4.7 41.664,23.995 43.053,22.606 50.203,22.606 53.029,25.432 IC2.5
pd_DP: IC2.4 U4.3 | length 21.6
  Bottom Layer w0.254: U4.3 37.211,23.495 38.481,24.765 38.481,25.527 39.243,26.289 40.513,26.289 43.18,23.622 50.292,23.622 52.197,25.527 52.197,25.908 52.721,26.432 IC2.4
SD_CD: *.29 U2.9 | length 63.8
  Top Layer w0.254: v1(12.573,8.001) 13.335,8.001 14.859,6.477 21.59,6.477 25.146,10.033 57.212,10.033 67.005,19.826 U2.9@67.005,19.911
  Top Layer w0.381: U2.9@67.005,19.911 U2.9
  Bottom Layer w0.254: *.29@12.573,5.444 v1(12.573,8.001)
  Bottom Layer w0.381: *.29@12.573,5.444 *.29 *.29@12.602,5.357
SD_CLK: *.13 U2.5 | length 63.1
  Top Layer w0.254: v1(21.844,23.749) 29.083,16.51 54.229,16.51 55.753,18.034 55.753,23.689 57.845,25.781 62.23,25.781 63.246,24.765 63.246,24.003 62.738,23.495 62.738,20.494 U2.5
  Bottom Layer w0.254: *.13 16.441,23.276 16.662,23.497 16.662,23.52 16.891,23.749 v1(21.844,23.749)
SD_CMD: *.23 R5.1 U2.3 | length 53.5
  Top Layer w0.254: v1(24.384,13.716) 54.991,13.716 60.405,19.13 U2.3 60.405,22.335 61.087,23.017 v1(61.087,23.749)
  Bottom Layer w0.254: *.23 20.109,9.441 v1(24.384,13.716) ; v1(61.087,23.749) 61.087,25.033 R5.1@62.255,26.201
SD_D0: R1.1 U2.7 U5.3 | length 61.4
  Top Layer w0.254: U5.3 15.38,14.052 15.38,13.068 16.256,12.192 57.404,12.192 64.805,19.593 U2.7 64.805,21.752 v1(67.056,24.003)
  Bottom Layer w0.254: v1(67.056,24.003) 67.056,26.176 R1.1
SD_D1: *.26 R2.1 U2.8 | length 65.3
  Top Layer w0.254: v1(16.383,7.239) 20.574,7.239 24.765,11.43 57.424,11.43 65.905,19.911 U2.8 65.905,21.328 68.199,23.622 v1(69.596,23.622)
  Bottom Layer w0.254: v1(16.383,7.239) 16.383,5.444 *.26 ; v1(69.596,23.622) R2.1
SD_D2: R3.1 U2.1 U5.7 | length 55.7
  Top Layer w0.254: U5.7 14.867,11.438 v1(14.986,11.557) ; v1(16.891,12.827) 19.05,14.986 54.737,14.986 58.205,18.454 U2.1 58.205,22.567 v1(57.404,23.368)
  Bottom Layer w0.254: v1(14.986,11.557) 15.621,11.557 v1(16.891,12.827) ; R3.1@57.15,26.074 57.404,25.82 v1(57.404,23.368)
SD_D3: *.16 R4.1 U2.2 | length 54.8
  Top Layer w0.254: v1(22.987,18.288) 25.527,15.748 54.483,15.748 56.388,17.653 56.388,23.495 57.404,24.511 58.985,24.511 v1(59.305,24.191) U2.2
  Bottom Layer w0.254: *.16 18.754,18.288 v1(22.987,18.288) ; v1(59.305,24.191) 59.639,24.525 R4.1@59.639,26.201
SEL_SD: *.11 R15.1 R16.2 | length 6.8
  Top Layer w0.254: v1(13.716,18.669) 13.789,18.596 13.927,18.596 14.605,17.918 R16.2 R15.1
  Bottom Layer w0.254: v1(13.716,18.669) 13.716,22.201 *.11
SEL_USB: *.12 R11.1 R13.2 | length 25.4
  Top Layer w0.254: v1(16.256,24.384) 26.387,24.384 v1(27.432,23.339)
  Bottom Layer w0.254: *.12@15.24,22.455 *.12 15.171,23.299 v1(16.256,24.384) ; v1(27.432,23.339) 28.546,22.225 32.385,22.225 34.036,20.574 R11.1 R13.2
uart_DM: U4.8 U6.2 | length 10.9
  Top Layer w0.254: v1(33.401,22.606) 37.338,22.606 v1(38.1,23.368)
  Bottom Layer w0.254: U6.2 33.147,22.86 v1(33.401,22.606) ; v1(38.1,23.368) 38.203,23.368 38.33,23.495 U4.8
uart_DP: U4.2 U6.1 | length 6.9
  Bottom Layer w0.254: U6.1 33.528,24.13 34.663,22.995 U4.2
VBUS: C12.1 C13.1 P1.1 R8.2 R9.2 R17.1 R20.1 R22.1 U7.3 U8.3 UART.A4 UART.A9 UART.B4 UART.B9 | length 84
  Top Layer w0.381: P1.1@20.895,30.353 20.895,29.972 v1(29.718,29.972) 33.553,26.137 34.691,26.137 35.078,26.525 UART.B4@35.078,28.026 ; UART.A9@35.052,27.813 35.052,28.673 35.239,28.86 35.239,29.524 36.322,30.607 38.272,30.607 39.268,29.611 39.268,29.215 39.704,28.779 ; UART.A4 40.011,28.406 UART.A4@39.878,28.539 ; v1(41.148,30.988) 40.005,30.988 39.37,30.353 39.37,29.113 39.704,28.779 ; v1(54.991,18.669) 50.292,18.669 49.789,18.166 v1(48.006,18.166) 39.878,26.294 UART.A4@39.878,28.539 ; 39.704,28.779 39.878,28.605 UART.A4@39.878,28.539 ; 39.704,28.779 39.704,28.713 UART.A4@39.878,28.539
  Bottom Layer w0.254: R20.1 v1(29.718,29.972) ; U7.3 57.876,18.603 57.876,20.245 R17.1
  Bottom Layer w0.381: v1(41.148,30.988) 41.656,30.988 43.6,29.044 R9.2 45.212,30.237 46.725,31.75 R8.2 ; v1(48.006,18.166) 50.423,18.166 51.22,17.369 C12.1 51.22,12.407 52.324,11.303 52.324,8.929 R22.1 53.467,7.736 53.777,7.426 53.788,7.426 55.692,5.522 U8.3 ; C13.1@51.27,17.526 C13.1 C13.1@51.386,17.692 ; v1(54.991,18.669) 55.024,18.636 57.513,18.636 U7.3
VBUS_SAMPLE: *.7 R20.2 R25.1 | length 24.7
  Top Layer w0.254: v1(8.763,24.257) 10.287,25.781 v1(10.287,25.908)
  Bottom Layer w0.254: v1(8.763,24.257) 8.763,22.444 *.7 ; v1(10.287,25.908) 10.414,25.781 22.595,25.781 26.786,29.972 R20.2 R25.1
pads on no net: *.4 *.5 *.6 *.17 *.18 *.19 *.20 *.21 *.22 *.32 *.36 *.37 IC1.4 IC1.5 IC1.6 IC1.7 IC2.2 IC2.3 IC2.9 IC2.10 U1.7 U2. U2.10 U2.11 U2.12 U2.13 U3. U3.3 U3.5 U3.7 U3.8 U3.9 U3.10 U5.8 U6.4 UART. UART.A8 UART.B8

## Polygon pours and split planes (outlines as drawn)
no net on Bottom Layer "Bottom Layer-No Net" (solid, remove dead copper, shelved, pour order 8): 65.913,-0.508

## Keep-outs
Keep-Out Layer:
  lines w0.2: 0.012,2.27 0.012,32.627 ; 2.286,0 23.241,0 23.241,1.143 50.165,1.143 50.292,1.016 50.292,0 67.056,0 72.771,0 ; 2.286,35.052 72.644,35.052 ; 74.93,2.413 74.93,32.639
  lines w0.254: 0.012,2.27 cw(c1.016,1.016) 2.27,0.012 ; 0.073,32.711 ccw(c1.016,34.036) 2.286,35.052 ; 72.702,35.01 ccw(c74.041,34.036) 74.93,32.639 ; 72.752,-0.015 cw(c74.041,1.016) 74.927,2.409

## Silkscreen, mask and mechanical layers (free items; w line width, h text height)
Top Solder:
  text "AIR HAND" at 4.826,14.351 h1.78

## Text inside footprints (layer, text, board x,y; h text height)
UART: Mechanical 13 "PCB Edge" at 39.531,34.667 h1.27 r180